# KiCad board AMC_FMC_Carrier-PcbDoc.kicad_pcb (continued)
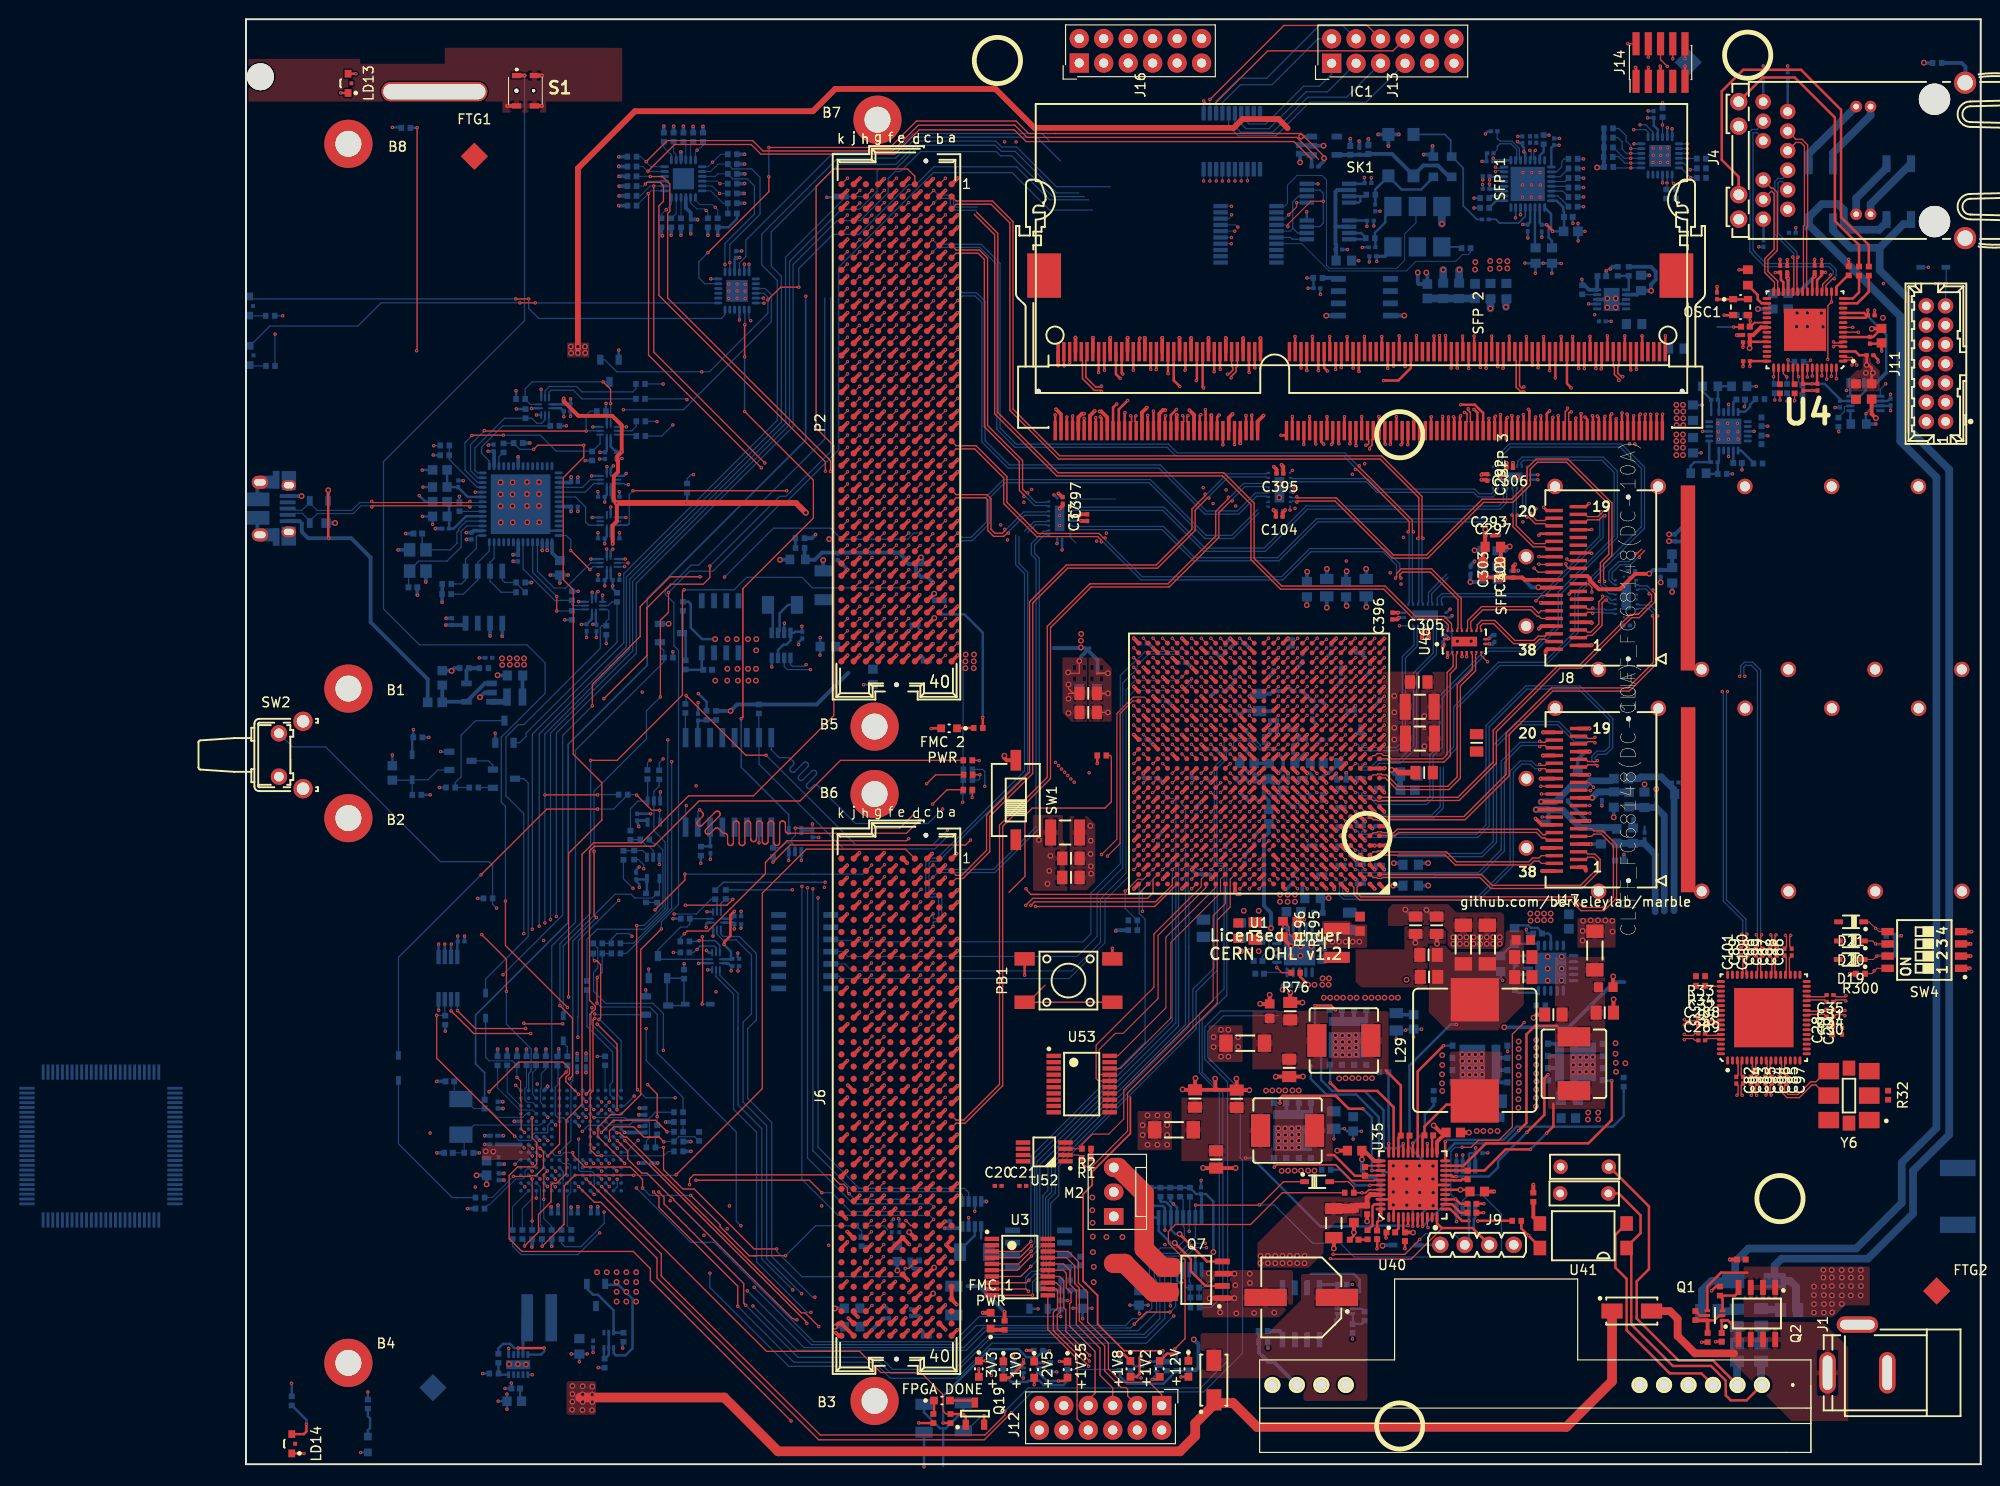
[diagram p0: board, top side]
## Routing (per net, layer and track width the routed paths; a pad name or vN(x,y) marks a point on that pad's centre or on a via; arc(x,y) is an arc through that point) (continued)
VCCAUX: length 11.5
  Top w0.381: U1.L11 v1(108.12,69.73) ; U1.P10 v1(109.12,73.73) ; U1.U11 v1(108.12,76.73) ; U1.M10 v1(109.12,70.73) ; U1.T10 v1(109.12,75.73) ; v2(118.86,72.08) 119.33,72.08 119.61,71.8
  Top w0.6: C235.1 119.61,71.8
  Bottom w0.381: C223.1 108.27,76.58 v1(108.12,76.73) ; C231.1 107.97,69.88 v1(108.12,69.73) ; C229.1 109.27,70.88 v1(109.12,70.73) ; v1(109.12,75.73) 109.27,75.58 C226.1 ; v1(109.12,73.73) 108.79,73.73 C227.1
  Bottom w0.6: 119.62,71.73 119.21,71.73 v2(118.86,72.08) ; C233.1 119.76,69.99
VCCAUXIO2V0: length 8.6
  Top w0.381: U1.P8 v1(111.12,73.73) ; U1.R9 v1(110.12,74.73) ; U1.T8 v1(111.12,75.73)
  Bottom w0.254: U47.11 151.83,104.2 C75.1 150.29,104.02 149.9,103.64 R70.1
  Bottom w0.381: v1(111.12,73.73) 111.1,73.73 110.43,73.05 C385.1
  vias: v2(148.42,106.89) v2(148.42,106.21) v2(148.42,105.52) v2(148.42,104.76) v2(149.1,106.89) v2(149.1,106.21) v2(149.1,105.52) v2(149.1,104.76)
VCCBRAM: length 5.1
  Top w0.381: U1.T12 v1(107.12,75.73) ; U1.U13 v1(106.12,76.73) ; U1.R13 v1(106.12,74.73) ; U1.N13 105.13,71.74 v1(105.13,71.73)
  Bottom w0.4: v1(107.12,75.73) 106.98,75.87 C3.1 ; C220.1 105.97,74.88 106.09,74.76 106.12,74.76 ; v1(106.12,76.73) 106.28,76.89 C216.1 ; v1(105.13,71.73) 104.99,71.59 C218.1
  vias: v2(112.73,54.24) v2(113.41,54.24) v2(114.1,54.24) v2(114.83,54.24) v2(115.52,54.24)
(no net): length 2195.4
  Top w0.127: v1(35.94,78.73) 35.94,80.96 40.91,85.93 40.91,89.03 44,92.13 v1(47.1,92.13) ; v1(48.13,93.23) 48.13,92.04 47.44,91.35 44.07,91.35 41.6,88.89 41.6,83.94 v1(37.13,79.47) ; v1(79.42,5.35) 76.6,2.53 59.43,2.53 42.64,19.32 42.64,21.38 36.83,27.19 36.14,27.19 v1(34.52,28.82) ; v1(58.19,14.62) 58.19,14.72 v1(39.32,33.59) ; v1(57.17,15) 56.93,15 56.8,15.13 56.69,15.13 44.38,27.44 44.38,27.52 44.19,27.71 44.11,27.71 41.6,30.22 41.07,30.22 40.69,30.6 ; v1(78.74,5.5) 78.74,5.1 76.68,3.04 59.59,3.04 43.09,19.54 43.09,21.82 v1(35.3,29.61) ; v1(38.53,33.59) 39.61,32.51 39.61,31.67 40.69,30.6 ; v1(36.36,56.75) 36.12,56.99 v1(36.12,63.62) ; v1(43,79.64) 43,87.6 43.84,88.43 v1(43.84,90.49) ; v1(59.43,14.29) 58.01,15.71 57.63,15.71 42.24,31.11 42.24,31.23 39.51,33.96 39.22,33.96 38.78,34.41 v1(38.48,34.41) ; v1(39.29,31.23) 36.51,34.01 36.51,34.98 37.82,36.29 38.88,36.29 40.96,38.37 40.96,53.43 v1(43.1,55.57) ; 40.69,30.6 40.74,30.55
  In2.Cu w0.127: 36.97,82.9 36.77,82.7 36.77,79.29 36.83,79.23 36.83,77.59 ; 36.97,82.9 36.89,82.83 ; 36.97,82.9 40.66,86.6 40.66,104.35 43.75,107.44 43.75,127.75 43.97,127.97 43.97,132.23 56.61,144.87 90.22,144.87 92,143.09 ; 86.92,143.09 85.73,141.9 83,141.9 82.24,142.66 57.52,142.66 46.32,131.47 46.32,128.09 46.51,127.9 46.51,127.13 46.31,126.93 46.31,107.32 41.98,102.99 41.98,85.61 38.28,81.91 38.28,59.04 38.05,58.82 38.05,58.26 38.17,58.14 38.17,37.52 37.87,37.22 37.6,37.22 37.35,36.97 37.35,34.28 36.99,33.92 36.99,32.92 36.54,32.47 36.54,31.55 v1(36.88,31.21) ; v1(31.29,29.63) 31.62,29.63 31.96,29.97 32.47,29.97 33.35,30.85 33.35,37.98 36.99,41.62 36.99,46.36 36.83,46.52 36.83,77.59 ; 48.27,117.33 48.27,121.42 47.87,121.83 47.87,123.23 48.29,123.66 48.29,128 52.05,131.76 52.05,131.99 56.35,136.29 59.34,136.29 ; 48.27,117.33 48.27,117.18 ; 48.27,117.33 48.27,107.18 42.92,101.83 42.92,85.04 39.04,81.16 39.04,36.76 38.64,36.36 38.64,35.22 38.11,34.69 38.11,29.99 v1(38.52,29.58) ; 59.34,136.29 67.03,136.29 70.63,139.89 81.48,139.89 83.13,138.24 86.05,138.24 86.92,139.11 86.92,140.55 ; 59.34,136.29 59.2,136.29 ; v1(26.66,50.82) 26.45,50.6 26.45,39.05 27.3,38.19 27.3,31.74 v1(27.91,31.13) ; v1(34.52,33.75) 34.01,34.26 34.01,36.88 35.18,38.06 35.48,38.06 37.22,39.8 37.22,46.45 37.13,46.54 v1(37.13,79.47) ; v1(34.9,34.55) 34.9,28.06 35.7,27.26 36.8,27.26 48.6,15.46 ; 59.43,135.78 67.15,135.78 70.71,139.33 81.28,139.33 82.93,137.68 86.59,137.68 89.46,140.55 ; 59.43,135.78 59.13,135.78 ; 59.43,135.78 58.23,135.78 48.7,126.25 48.7,117.58 ; 59.44,14.3 v1(59.43,14.29) ; 36.83,77.59 36.83,78.15 ; v1(37.72,29.61) 38.16,29.16 38.64,29.16 38.89,29.42 38.89,35.15 39.35,35.61 39.35,80.68 43.36,84.69 43.36,101.1 48.7,106.44 48.7,117.58 ; v1(37.69,37.58) 37.69,40.17 ; 37.69,40.17 37.69,40.29 ; 37.69,40.17 37.69,59.02 37.82,59.15 37.82,82.25 41.59,86.02 41.59,103.55 45.34,107.29 45.34,122.3 45.53,122.49 45.53,131.35 49.61,135.43 49.61,136.08 56.63,143.09 84.38,143.09 ; v1(36.14,34.38) 35.7,33.94 35.7,27.88 35.94,27.64 36.99,27.64 48.77,15.87 ; v1(37.69,28.82) 39.37,28.82 39.68,29.13 39.68,32.14 39.61,32.21 39.61,32.54 39.68,32.61 39.68,80.27 44.36,84.95 44.36,101.17 49.08,105.9 49.08,125.76 58.65,135.32 67.38,135.32 70.79,138.73 81.18,138.73 82.57,137.33 88.77,137.33 92,140.55 ; v1(28.93,28.79) 30.23,28.79 30.92,29.49 30.92,29.81 31.2,30.08 31.44,30.08 31.76,30.4 31.76,31.12 32.53,31.9 v1(32.53,32.38) ; 52.63,139.97 56.94,144.28 88.27,144.28 89.46,143.09 ; 52.63,139.97 44.77,132.11 44.77,107.63 41.12,103.98 41.12,86.39 37.5,82.77 37.5,79.29 37.45,79.24 37.45,37.96 37.27,37.78 37.27,37.25 37.13,37.11 36.74,37.11 36.51,36.88 36.51,33.2 v1(36.12,32.81) ; 52.63,139.97 52.58,139.92 ; v1(30.5,29.61) 30.5,30.57 31.68,31.75 31.68,32.17 31.67,32.18 31.67,33.41 31.68,33.42 31.68,33.77 31.67,33.78 31.67,35.82 31.68,35.83 31.68,36.18 31.67,36.19 31.67,42.89 32.2,43.42 v1(32.2,56.86) ; 84.38,140.55 82.37,140.55 80.66,142.26 58.09,142.26 52.66,136.83 52.66,136.35 51.65,135.33 51.04,135.33 47.23,131.52 47.23,122.64 46.77,122.18 46.77,106.73 42.43,102.39 42.43,85.46 38.63,81.66 38.63,59.04 38.31,58.71 38.31,58.36 38.58,58.09 38.58,37.4 38.14,36.96 38.14,35.76 37.84,35.46 37.84,34.32 37.33,33.8 37.33,30.84 v1(36.9,30.42) ; 48.7,117.58 48.7,117.43
  Bottom w0.102: v1(31.29,29.63) 31.13,29.79 31.13,29.79 U2#2.C4
  Bottom w0.127: v1(37.72,29.61) 37.33,29.99 U2#2.C12 ; v1(38.48,34.41) 38.13,34.76 U2#2.J13 ; U2#2.H14 38.93,33.99 v1(39.32,33.59) ; v1(36.14,34.38) 35.73,34.79 U2#2.J10 ; v1(38.53,33.59) 38.13,33.99 U2#2.H13 ; v1(36.12,32.81) 35.73,33.19 U2#2.G10 ; U2#2.B12 37.33,29.18 v1(37.69,28.82) ; v1(34.52,28.82) 34.15,29.19 U2#2.B8 ; v1(36.88,31.21) 36.53,31.56 U2#2.E11 ; 37.33,34.79 U2#2.J12 36.94,35.18 35.53,35.18 v1(34.9,34.55) ; v1(36.9,30.42) 36.53,30.79 U2#2.D11 ; U2#2.P3 30.13,38.75 ; v1(37.69,37.58) 37.33,37.22 U2#2.M12 ; U2#2.E14 38.93,31.59 v1(39.29,31.23) ; U2#2.C9 34.93,29.98 v1(35.3,29.61) ; v1(28.93,28.79) 28.53,29.19 U2#2.B1 ; U2#2.F2 29.33,32.38 ; 36.53,28.38 U2#2.A11 36.14,28.78 36.14,30.15 35.9,30.38 34.71,30.38 34.52,30.57 v1(34.52,33.75) ; v1(30.5,29.61) 30.13,29.98 U2#2.C3 ; U2#2.G2 29.33,33.19 ; 87.83,130.19 83.39,130.19 79.5,134.08 71.32,134.08 61.5,124.26 61.5,105.31 56.18,99.99 55.72,99.99 48.44,92.7 46.05,92.7 v1(43.84,90.49) ; 60.68,121.07 60.68,105.13 56.03,100.48 55.37,100.48 v1(48.13,93.23) ; 51.38,102.34 51.23,102.19 ; 51.38,102.34 56.77,107.72 56.77,124.53 61.34,129.1 63.73,129.1 66.63,132.01 66.63,133.48 67.36,134.2 67.92,134.2 69.97,136.26 77.85,136.26 78.28,135.83 79.45,135.83 83.69,131.59 86.99,131.59 ; 51.38,102.34 40.5,91.46 40.5,84.18 32.2,75.89 v1(32.2,56.86) ; v1(78.74,5.5) 81.15,7.92 99.06,7.92 101.85,10.71 101.85,39.67 99.48,42.04 99.48,45.37 101.17,47.06 107.03,47.06 ; v1(38.52,29.58) 38.52,28.78 U2#2.A13 ; v1(79.42,5.35) 81.58,7.51 99.39,7.51 103.4,11.52 103.4,31.59 103.15,31.85 103.15,38.9 99.79,42.26 99.79,44.92 101.42,46.55 107.16,46.55 ; v1(36.36,56.75) 33.91,54.3 33.91,39.85 33.72,39.65 33.72,33.58 32.51,32.38 ; v1(43,79.64) 41.55,78.2 41.55,75.3 36.12,69.87 v1(36.12,63.62) ; 60.06,121.07 60.06,106.42 46.97,93.34 46.18,93.34 43.5,90.65 43.5,90.33 44.4,89.43 44.4,84.97 44.88,84.48 44.88,58.1 43.1,56.32 v1(43.1,55.57) ; v1(26.66,50.82) 32.86,57.02 32.86,75.66 v1(35.94,78.73) ; U2#2.E1 28.37,31.59 v1(27.91,31.13) ; 47.35,92.13 v1(47.1,92.13)
  Bottom w0.254: 29.33,33.19 v1(29.74,32.78) ; 29.33,32.38 v1(29.72,31.99) ; U2#2.E12 37.33,31.59 v1(37.69,31.23) ; U2#2.E10 35.73,31.57 v1(36.07,31.23) ; U2#2.L4 30.93,36.39 v1(31.32,36.01) ; v1(35.3,37.63) 34.95,37.99 U2#2.N9 ; v1(29.72,31.21) 29.33,31.59 U2#2.E2 ; 36.53,36.39 U2#2.L11 36.53,36.39 v1(36.9,36.77) ; v1(32.1,29.58) 31.73,29.96 U2#2.C5 ; v1(35.3,31.21) 34.93,31.58 U2#2.E9 ; v1(34.59,35.12) 34.13,35.58 U2#2.K8 ; U2#2.F3 30.13,32.39 v1(30.53,31.99) ; v1(31.32,33.59) 30.93,33.98 U2#2.H4 ; U2#2.H3 30.13,33.97 v1(30.48,33.62) ; U2#2.P4 30.95,38.79 ; U2#2.L13 38.13,36.39 ; v1(35.3,36.01) 34.93,36.38 U2#2.L9 ; v1(34.52,36.01) 34.13,36.39 U2#2.L8 ; v1(36.9,29.61) 36.53,29.98 U2#2.C11 ; U2#2.D13 38.13,30.79 v1(38.48,30.45) ; U2#2.G13 38.13,33.18 v1(38.53,32.78) ; v1(36.12,28.01) 35.73,28.39 U2#2.A10 ; 37.72,36.79 38.1,36.41 ; v1(31.29,28.82) 30.93,29.18 U2#2.B4
  Bottom w0.381: v1(27.84,35.6) 27.85,35.59 U2#2.K1 ; U2#2.P4 31.29,39.15 v1(31.29,39.23)
  vias: v1(30.22,39.46) v1(37.72,36.8) v2(120.42,50.29)
/ALERT: length 162.3
  Top w0.127: v1(95.88,15.79) 93.42,15.79 v1(92.17,14.54)
  In2.Cu w0.127: v1(52.02,18) 48.92,21.1 48.92,47.08 46.05,49.95 46.05,99.51 53.22,106.68 53.22,120.59 v1(53.69,121.06)
  Bottom w0.127: 60.68,12.11 57.91,12.11 v1(52.02,18) ; 60.68,12.11 60.59,12.11 ; 60.68,12.11 74.47,12.11 76.5,14.14 91.77,14.14 v1(92.17,14.54) ; U27.14 95.97,18.35 R172.2 95.93,18.29 96.46,17.76 96.46,16.37 v1(95.88,15.79) ; U39.5 53.68,121.05 v1(53.69,121.06)
/AMC_connector/AMC_En: length 1
  Bottom w0.102: R155.1 R145.2
/AMC_connector/AMC_GA0: length 30
  In2.Cu w0.127: v1(50.16,26.81) v1(59.74,26.81)
  GND5.Cu w0.127: v1(50.16,26.81) 37.81,26.81 v1(37.16,26.17)
  Bottom w0.127: v1(37.16,26.17) 37.16,25 34.74,22.58 33.11,22.58 32.74,22.95 R148.1
/AMC_connector/AMC_GA2: length 65.8
  In2.Cu w0.127: v1(49.93,24.45) 51.66,22.72 v1(60.45,22.72)
  In4.Cu w0.127: v1(60.45,22.72) 60.83,22.72 63.73,19.83 67.18,19.83 67.36,19.64 68.19,19.64 68.49,19.94 86.74,19.94 87.62,20.83
  GND5.Cu w0.127: v1(49.93,24.45) 48.56,25.82 38.5,25.82 v1(36.69,24.01)
  Bottom w0.127: v1(36.69,24.01) 34.44,21.76 28.55,21.76 27.66,22.65 R150.1
/AMC_connector/I2C_IPMB_SCL: length 4.8
  Bottom w0.102: R133.2 27.1,38.62 28.53,37.19
  Bottom w0.127: 28.53,37.19 28.53,37.17
/AMC_connector/I2C_IPMB_SDA: length 7.5
  Bottom w0.102: R134.2 26.11,39.05 28.39,36.77 29.75,36.77 30.13,36.39
/EN_CON_JTAG: length 142.1
  Top w0.127: v1(57.36,122.19) 55.47,122.19 v1(54.14,120.86) ; v1(47.35,54.75) 47.35,54.51 47.38,54.47 47.38,48.06 47.34,48.02 v1(47.34,47.77)
  GND5.Cu w0.127: v1(47.29,113.4) 46.43,112.54 46.43,79.26 41.37,74.21 41.37,67.53 47.35,61.55 v1(47.35,54.75)
  Bottom w0.127: 87.42,131.26 83.39,131.26 79.96,134.69 71.37,134.69 69.52,132.83 ; v1(57.36,122.19) 57.36,124.13 60.91,127.68 63.6,127.68 68.75,132.83 69.52,132.83 ; 69.52,132.83 69.29,132.83 ; D15.1 176.42,124.22 C193.1 176.35,122.47 J11.13 ; D14.1 48.17,47.77 v1(47.34,47.77) ; U39.4 53.74,121.55 54.15,121.14 54.15,119.47 48.08,113.4 v1(47.29,113.4) 38.47,113.4 37.22,114.65 Q6.1 ; v1(46.43,102.73) 46.2,102.73 45.77,102.3 R166.2
/EN_USB_JTAG: length 108.3
  Top w0.127: v1(33.47,48.5) 33.47,63.41 36.93,66.87 36.93,70.73 33.96,73.7 33.96,90.8 32.92,91.84 32.92,102.41 35.05,104.55 v1(35.05,105.78) 30.27,105.78 v1(29.84,105.35)
  In2.Cu w0.127: v1(33.47,48.5) 35.24,46.73 v1(36.2,46.73)
  GND5.Cu w0.127: v1(35.05,105.78) 35.48,105.78 v1(39.16,109.46)
  Bottom w0.127: U39.3 53.88,122.05 54.51,121.43 54.51,118.58 45.39,109.46 v1(39.16,109.46) ; v1(29.84,105.35) 28.41,105.35 27.77,105.99 R127.1 26.76,106.01 R200.1 ; Q5.1 36.26,46.67 v1(36.2,46.73)
/ESDSTRIP1: length 11.1
  Bottom w0.254: 72.34,3.72 72.34,-0.16 ; 72.34,3.72 72.62,3.72 74.43,5.54 R243.2 ; 72.34,3.72 72.02,3.72 70.36,5.39 R244.1
/ESDSTRIP2: length 3.6
  Bottom w0.254: R244.2 v1(70.36,-0.26)
/ETH_PHY/CLK_25MHZ: length 134.3
  Top w0.178: 155.14,118.07 155.13,118.05 v1(154.37,118.05)
  In9.Cu w0.178: v1(58.09,121.25) 58.09,132.02 60.32,134.25 79.14,134.25
  Bottom w0.178: U20.23 131.75,129.4 v1(131.73,129.38) ; 152.65,118.05 v1(154.37,118.05) ; 58.07,121.26 58.07,106.31 41.63,89.87 41.63,82.93 33.42,74.73 33.42,56.23 23.82,46.62 23.82,41.57 24.76,40.63 C102.2
/ETH_PHY/MDI0_N: length 13.2
  Top w0.13: U4.27 158.93,121.8 158.93,122.82 157.92,123.83 157.92,125.02 158.89,125.98 158.89,132.04 158.46,132.46 158.28,132.46 157.43,133.32
/ETH_PHY/MDI0_P: length 12.6
  Top w0.13: U4.28 158.6,121.8 158.6,122.69 157.59,123.7 157.59,125.15 158.56,126.12 158.56,131.9 158.32,132.13 158.28,132.13 J4.11
/ETH_PHY/MDI1_N: length 13.8
  Top w0.13: v1(161.04,125.31) 160.93,125.2 160.93,121.8 U4.23
  Bottom w0.13: J4.5 159.97,132.58 159.39,133.15 159.09,133.15 158.96,133.02 158.96,127.8 160.93,125.83 160.93,125.42 v1(161.04,125.31)
/ETH_PHY/MDI1_P: length 14.4
  Top w0.13: U4.24 160.6,121.8 160.6,125.2 v1(160.49,125.31)
  Bottom w0.13: v1(160.49,125.31) 160.6,125.42 160.6,125.69 158.63,127.66 158.63,133.15 158.96,133.48 159.47,133.48 159.97,133.98 J4.4
/ETH_PHY/MDI2_N: length 18
  Top w0.13: J4.2 160.82,137.54 161.46,137.54 162.04,136.96 162.04,128.47 161.93,128.37 161.93,121.8 U4.21
/ETH_PHY/MDI2_P: length 17.4
  Top w0.13: J4.3 160.82,137.21 161.32,137.21 161.71,136.83 161.71,128.61 161.6,128.5 161.6,121.8 U4.22
/ETH_PHY/MDI3_N: length 26.1
  Top w0.13: v1(164.8,123.07) 164.65,123.07 163.93,122.35 163.93,121.8 U4.17
  Bottom w0.13: J4.9 157.43,137.61 156.8,138.23 156.4,138.23 156.37,138.2 156.37,126.05 156.59,125.84 156.59,125.78 157.72,124.64 164.38,124.64 165.01,124.01 165.01,123.43 164.8,123.22 v1(164.8,123.07)
/ETH_PHY/MDI3_P: length 26.7
  Top w0.13: v1(164.41,123.46) 164.41,123.3 163.6,122.49 163.6,121.8 U4.18
  Bottom w0.13: J4.8 157.43,139.18 156.81,138.56 156.27,138.56 156.04,138.34 156.04,125.88 156.08,125.88 156.26,125.7 156.26,125.64 157.59,124.31 164.24,124.31 164.68,123.87 164.68,123.57 164.57,123.46 v1(164.41,123.46)
/ETH_PHY/MII_MDIO: length 1.4
  Bottom w0.127: 166.48,108.13 166.48,107.95
  Bottom w0.254: 166.48,109.36 166.48,108.13 166.48,108.13
/ETH_PHY/PHY_RSTn: length 114.1
  Top w0.102: v1(110.12,60.73) 110.12,60.73 U1.B9
  Top w0.127: v1(164.11,114.68) 164.11,114.93 164.13,114.95 164.13,120.26 v1(164.53,120.66) 164.52,120.67 U4.16
  In2.Cu w0.127: v1(110.12,60.73) 110.12,60.44 110.6,59.96 110.6,59.71 110.98,59.32 113.37,59.32 113.99,58.71 121.19,58.71 121.59,59.11 138.19,59.11 139.22,58.08 151.08,58.08 152.4,59.39 152.4,60.02 165.73,73.36 165.73,113.32 164.37,114.68 v1(164.11,114.68)
/ETH_PHY/POE_VC1: length 8.2
  Bottom w0.8: 167.08,140.91 167.03,140.91 163.07,136.94 163.04,136.94 162.14,136.04 D6.1
/ETH_PHY/POE_VC2: length 6.6
  Bottom w0.8: D7.1 170.22,134.56 167.08,131.42 167.08,129.73
/ETH_PHY/POE_VC3: length 7.7
  Bottom w0.8: D6.2 164.68,136.14 168.57,140.03 168.57,140.91
/ETH_PHY/POE_VC4: length 7
  Bottom w0.8: 168.57,129.73 168.57,130.82 D7.2
/ETH_PHY/RGMII_RX_CLK: length 111.7
  Top w0.102: U1.E11 v1(108.12,63.73)
  In2.Cu w0.127: v1(108.12,63.73) 108.46,63.39 108.46,62.6 108.46,62.57 108.49,62.54 108.49,61.56 108.83,61.21 110.38,61.21 110.74,60.85 110.74,60.61 111.08,60.26 111.77,60.26 111.96,60.07 113.25,60.07 113.9,59.41 113.94,59.41 114.11,59.24 120.69,59.24 120.96,59.51 122.89,59.51 123,59.62 136.67,59.62 137.83,60.77 140.86,60.77 142.65,58.97 145.26,58.97 146.49,60.2 149.6,60.2 162.57,73.17 162.57,78.13 164.11,79.67 164.13,91.28 163.4,92.01 163.4,104.61 164.49,105.7 164.49,108.16 165.45,109.12 165.45,113.07 164.28,114.23 162.72,114.23 v1(162.34,114.61)
  Bottom w0.127: R292.2 162.16,114.44 v1(162.34,114.61)
/ETH_PHY/RGMII_RX_DV: length 86.3
  Top w0.102: U1.J8 111.12,67.73 111.14,67.73 v1(111.14,67.73)
  In2.Cu w0.127: v1(111.14,67.73) 111.49,68.08 121.03,68.08 121.05,68.06 129.93,68.06 130.5,67.49 134.08,67.49 134.23,67.64 137.71,67.64 138.12,67.24 139.94,67.24 140.39,67.69 147.95,67.69 148.52,68.26 156.89,76.68 156.89,108.14 158.65,109.9 158.65,110.46 v1(158.63,110.47)
  Bottom w0.13: R291.2 v1(158.63,110.47)
/ETH_PHY/RGMII_RXD0: length 89.3
  Top w0.102: 108.6,68.22 v1(109.1,67.72)
  Top w0.13: R293.2 v1(159.17,110.47)
  In2.Cu w0.127: v1(109.1,67.72) 109.46,67.36 129.68,67.36 130.62,66.42 142.54,66.42 143.23,67.1 148.26,67.1 157.51,76.36 157.51,108.06 159.14,109.69 159.14,110.45 v1(159.17,110.47)
/ETH_PHY/RGMII_RXD1: length 91.5
  Top w0.102: U1.J11 v1(108.12,67.73)
  In2.Cu w0.127: v1(108.12,67.73) 108.74,67.11 118.68,67.11 118.9,66.89 127.09,66.89 128.01,65.97 148.05,65.97 148.74,66.66 158.2,76.05 158.17,104.75 158.85,105.42 158.85,108.33 159.9,109.38 v1(159.9,110.37)
  Bottom w0.127: R294.2 v1(159.9,110.37)
/ETH_PHY/RGMII_RXD2: length 90.3
  Top w0.102: U1.H8 v1(111.12,66.73)
  Top w0.127: R295.2 v1(160.69,110.4)
  In2.Cu w0.127: v1(160.69,110.4) 160.69,108.83 159.5,107.65 159.5,104.99 158.67,104.16 158.68,74.63 149.52,65.47 126.76,65.47 125.84,66.39 118.9,66.39 118.53,66.76 116.74,66.76 116.36,66.39 111.46,66.39 v1(111.12,66.73)
/ETH_PHY/RGMII_RXD3: length 93.3
  Top w0.102: U1.H9 v1(110.12,66.73)
  In2.Cu w0.127: v1(110.12,66.73) 110.75,66.1 116.4,66.1 116.7,66.4 117.27,66.4 117.82,65.85 124.61,65.85 125.45,65.01 150.05,65.01 159.38,74.34 159.38,80.06 161.18,81.86 161.16,88.85 160.09,89.92 160.09,106.77 161.41,108.1 v1(161.41,110.18)
  Bottom w0.127: R296.2 161.41,110.95 v1(161.41,110.18)
/ETH_PHY/RGMII_TX_CLK: length 100.3
  Top w0.102: U1.F10 v1(109.06,64.79)
  Top w0.127: v1(163.51,112.99) 163.52,113 U4.53
  In2.Cu w0.127: v1(109.06,64.79) 109.57,64.29 116.67,64.29 116.97,64.59 121.93,64.59 124.43,62.09 134.52,62.09 135.31,62.88 149.8,62.88 150.15,63.23 152.8,65.85 160.69,73.73 160.69,79.51 162.35,81.18 162.35,89.98 161.64,90.68 161.64,106.01 162.37,106.74 162.37,109.7 163.51,110.84 v1(163.51,112.99)
/ETH_PHY/RGMII_TX_EN: length 102.7
  Top w0.102: v1(110.12,61.73) 110.12,61.73 U1.C9
  Top w0.127: v1(165.03,112.68) 165.02,112.7 U4.56
  In2.Cu w0.127: v1(165.03,112.68) 165.03,110.38 163.57,108.91 163.57,105.82 162.83,105.08 162.83,91.56 163.65,90.74 163.66,79.94 161.93,78.2 161.93,73.2 149.55,60.83 146.29,60.83 144.9,59.44 142.67,59.44 140.78,61.34 137.57,61.34 137.03,60.8 119.1,60.8 118.46,60.16 113.61,60.16 113.4,60.37 111.99,60.37 110.62,61.73 v1(110.12,61.73)
/ETH_PHY/RGMII_TXD0: length 100.1
  Top w0.102: U1.H11 v1(108.12,66.73)
  Top w0.127: v1(162.01,112.86) 162.02,112.87 U4.50
  In2.Cu w0.127: v1(162.01,112.86) 161.78,112.63 161.78,107.53 160.69,106.43 160.69,90.08 161.58,89.18 161.58,81.74 159.92,80.08 159.92,74.08 149.86,64.02 135.02,64.02 133.96,62.96 125.51,62.96 123.11,65.35 109.95,65.35 109.76,65.55 109.76,65.73 109.39,66.1 108.75,66.1 v1(108.12,66.73)
/ETH_PHY/RGMII_TXD1: length 102.3
  Top w0.102: v1(107.13,66.73) 106.63,67.23 106.62,67.23
  Top w0.127: v1(162.52,112.96) 162.52,112.96 U4.51
  In2.Cu w0.127: v1(107.13,66.73) 107.61,66.73 108.75,65.59 108.75,65.55 109.21,65.1 116.52,65.1 116.66,64.95 122.35,64.95 124.8,62.49 134.26,62.49 135.4,63.64 149.98,63.64 150.05,63.71 152.59,66.22 160.33,73.96 160.33,79.78 162.01,81.46 162.01,89.55 161.16,90.4 161.16,106.34 162.01,107.19 162.01,110.08 162.97,111.04 162.97,112.52 v1(162.52,112.96)
/ETH_PHY/RGMII_TXD2: length 98.8
  Top w0.11: v1(111.12,62.75) 111.1,62.75 U1.D8
  Top w0.127: U4.54 v1(164.02,112.63)
  In2.Cu w0.127: v1(111.12,62.75) 111.49,62.38 112.97,62.38 113.46,61.89 113.46,61.58 113.89,61.15 118.09,61.15 118.67,61.73 135.16,61.73 135.85,62.41 149.95,62.41 150.04,62.5 153.03,65.49 161.08,73.54 161.08,79.17 162.79,80.88 162.79,82.52 162.78,90.3 162.01,91.07 162.01,105.55 162.79,106.33 162.79,109.36 164.02,110.59 v1(164.02,112.63)
/ETH_PHY/RGMII_TXD3: length 100.8
  Top w0.102: U1.D9 110.12,62.73 v1(110.12,62.73)
  Top w0.127: U4.55 164.52,112.95 v1(164.5,112.94)
  In2.Cu w0.127: v1(110.12,62.73) 110.12,62.37 110.34,62.15 111.19,62.15 112.12,61.22 113.13,61.22 113.97,60.38 116.41,60.38 116.8,60.78 118.32,60.78 118.79,61.26 136.69,61.26 137.31,61.88 149.91,61.88 150.12,62.1 153.26,65.22 161.48,73.43 161.48,78.72 163.13,80.38 163.13,90.59 162.47,91.26 162.47,105.34 162.56,105.43 163.13,106.01 163.13,109.09 164.5,110.46 v1(164.5,112.94)
/ETH_PHY/SD_IN_N: length 2
  Top w0.13: U4.2 165.83,114.9 166.62,114.9 167.02,114.49 167.02,114.22 v1(167.13,114.11)
/ETH_PHY/SD_IN_P: length 1.5
  Top w0.13: U4.1 165.83,114.63 166.5,114.63 166.75,114.38 166.75,114.22 v1(166.64,114.11)
/ETH_PHY/SD_OUT_N: length 1.1
  Top w0.13: U4.5 165.6,116.4 164.84,116.4 v1(164.73,116.51)
/ETH_PHY/SD_OUT_P: length 1.1
  Top w0.13: v1(164.73,116.02) 164.84,116.13 165.6,116.13 U4.4
/FANFAIL: length 168.4
  In2.Cu w0.127: v1(53.74,120.53) 53.74,106.29 46.33,98.87 46.33,50.75 49.57,47.51 49.57,21.52 v1(52.73,18.35)
  Bottom w0.127: 82.67,14.39 82.61,14.39 ; 82.67,14.39 75.79,14.39 73.81,12.41 58.67,12.41 v1(52.73,18.35) ; 82.67,14.39 91.26,14.39 91.98,15.12 92.92,15.12 93.97,16.17 93.97,18.76 93.74,19 93.74,21.3 94.89,22.46 96.57,22.46 97.36,23.25 97.36,24.58 97.24,24.7 U27.5 97.24,27.45 R173.2 ; U39.6 53.72,120.55 v1(53.74,120.53)
/FMC1_PRSNT_M2C_L: length 27.7
  Top w0.102: J6.H2 v1(64.92,62.2)
  Top w0.127: v1(45.54,61.26) 45.54,60.64 v1(42.44,57.54)
  Bottom w0.127: v1(42.44,57.54) 42.67,57.77 R63.1 42.64,58.32 R234.2 ; 58.82,61.26 v1(45.54,61.26) ; 58.82,61.26 58.9,61.26 ; 58.82,61.26 63.98,61.26 v1(64.92,62.2)
/FMC1_PRSNT_Override: length 1.8
  Bottom w0.127: D18.2 32.92,43.75 33.35,43.32 R151.1 33.37,42.37
/FMC1_TCK: length 61.8
  Top w0.127: v1(46.02,29.02) 46.02,29.61 46.45,30.04 60.64,30.04 61.61,29.06 62.02,29.06 62.41,28.67 62.41,28.26 v1(62.58,28.08) ; J6.D29 v1(69.97,27.88)
  In2.Cu w0.127: v1(40.05,54.8) 40.05,54.56 39.92,54.43 39.92,31.49 42.39,29.02 v1(46.02,29.02)
  Bottom w0.127: v1(69.97,27.88) 69.59,27.5 63.17,27.5 v1(62.58,28.08) ; 37.38,54.07 R239.1 R241.2 37.91,54.5 38.48,55.08 39.77,55.08 v1(40.05,54.8)
/FMC1_TDI: length 64.2
  Top w0.127: v1(46.68,29.48) 58.46,29.48 v1(59.75,28.18) ; J6.D30 v1(70,26.64)
  In2.Cu w0.127: v1(46.68,29.48) 43.2,29.48 41.65,31.03 41.65,37.58 40.97,38.27 40.97,49.65 41.27,49.95 v1(41.27,61.81)
  Bottom w0.127: v1(41.27,61.81) 41.27,62.22 40.73,62.77 R277.1 ; v1(70,26.64) 69.59,26.23 62.73,26.23 60.77,28.18 v1(59.75,28.18)
/FMC1_TDO: length 52.4
  Top w0.127: v1(68.48,25.29) 69,24.77 J6.D31 ; v1(40.62,38.88) 40.54,38.96 v1(40.54,55.92)
  In9.Cu w0.127: 57.73,24.83 v1(44.52,38.04)
  Bottom w0.127: v1(40.62,38.88) 41.46,38.04 v1(44.52,38.04) ; v1(40.54,55.92) 41.3,55.92 43.27,57.88 43.27,63.74 42.58,64.43 42.26,64.43 41.84,64.84 R278.1
/FMC1_TMS: length 58.7
  Top w0.127: v1(36.42,47.87) 36.42,50.51 v1(36.45,50.54) ; v1(69.95,22.75) 69.43,22.23 J6.D33
  In2.Cu w0.127: v1(51.36,24.76) 52.61,23.5 69.2,23.5 v1(69.95,22.75)
  Bottom w0.127: 37.86,53.03 37.83,53 36.99,53 ; v1(51.36,24.76) 50.87,25.24 50.87,34.48 42.67,42.69 42.67,46.7 41.9,47.46 36.83,47.46 v1(36.42,47.87) ; v1(36.45,50.54) 36.97,51.06 R240.1
/FMC1_TRST: length 36.2
  Top w0.127: v1(43.33,32.88) 43.33,30.57 45.34,28.57 46.5,28.57 52.73,22.34 v1(55.06,22.34) ; v1(68.4,20.34) 68.78,20.34 J6.D34
  Bottom w0.127: R289.2 42.48,34.05 R290.1 v1(43.33,32.88) ; v1(68.4,20.34) 68.4,20.09 67.78,19.47 57.69,19.47 55.06,22.09 v1(55.06,22.34)
/FMC2_PRSNT_M2C_L: length 132.1
  Top w0.127: v1(36.47,69.48) v1(31.01,69.48) ; P2.H2 v1(64.97,132.25)
  In2.Cu w0.127: v1(31.01,56.2) 28.6,56.2 25.73,53.33 25.73,39.35 26.21,38.87 26.21,31.18 v1(23.8,28.77)
  Bottom w0.127: R276.1 36.5,69.51 v1(36.47,69.48) ; R205.2 62.27,131.58 55.99,125.31 55.99,108.04 39.81,91.86 39.81,84.6 31.01,75.8 v1(31.01,69.48) v1(31.01,56.2) ; v1(64.97,132.25) 64.31,131.59 62.27,131.59
/FMC2_PRSNT_Override: length 17
  Bottom w0.127: D17.2 15.82,33.26 21.41,27.68 21.92,27.68 ; R152.1 21.92,27.68 ; 21.92,27.68 21.79,27.68
/FMC2_TCK: length 67.4
  Top w0.127: P2.D29 v1(70.04,97.95)
  GND5.Cu w0.127: v1(43.76,75.2) 47.32,78.76 47.32,90.36 54.24,97.29 69.38,97.29 v1(70.04,97.95)
  Bottom w0.127: R241.1 38.85,54.05 ; 38.8,54.08 40.21,54.08 43.76,57.63 v1(43.76,75.2)
/FMC2_TDI: length 47.5
  Top w0.112: P2.D30 v1(70.04,96.68)
  In7.Cu w0.127: v1(41.93,73.09) 41.93,84.37 v1(49.65,92.09)
  Bottom w0.127: v1(70.04,96.68) 69.31,96.68 68.66,96.03 61.8,96.03 60.65,97.17 54.73,97.17 v1(49.65,92.09) ; 41.63,72.06 R279.1 41.65,72.81 v1(41.93,73.09)
/FMC2_TDO: length 45.5
  Top w0.127: v1(69.95,95.37) 69.4,94.82 P2.D31
  GND5.Cu w0.127: 48.19,79.21 48.19,78.58 ; 48.19,79.21 48.19,78.13 v1(43.28,73.22) ; 48.19,79.21 48.19,88.77 55.22,95.8 60.07,95.8 60.29,95.58 60.74,95.58 61.03,95.87 69.45,95.87 v1(69.95,95.37)
  Bottom w0.127: 42.89,72.04 R280.1 42.87,72.81 v1(43.28,73.22)
/FMC2_TMS: length 64.3
  Top w0.127: v1(70.01,92.85) 69.4,92.24 P2.D33
  GND5.Cu w0.127: v1(44.17,72.94) 49.44,78.21 49.44,89.24 53.4,93.19 62.24,93.19 62.28,93.23 69.63,93.23 v1(70.01,92.85)
  Bottom w0.127: v1(44.17,72.94) 44.17,57.71 39.48,53.03 38.8,53.03
/FMC2_TRST: length 98.5
  Top w0.112: P2.D34 v1(70.04,91.6)
  Top w0.127: v1(33.57,40.01) 33.88,40.32 33.88,46.3 v1(32.58,47.61) ; v1(42.67,36.08) 42.67,38.42 v1(41.68,39.41) ; v1(35.76,73.07) 38.5,73.07 45.29,79.85 45.29,90.6 v1(45.46,90.77)
  GND5.Cu w0.127: v1(41.68,39.41) 39.72,39.41 39.19,38.88 34.7,38.88 v1(33.57,40.01)
  Bottom w0.127: v1(70.04,91.6) 69.42,90.97 58.77,90.97 57.68,92.07 51.94,92.07 50.64,90.77 v1(45.46,90.77) ; v1(35.76,73.07) 35.76,57.22 32.58,54.03 v1(32.58,47.61) ; R289.1 v1(42.67,36.08)